# KiCad board 60 Percent Keyboard Ardiuno Micro.kicad_pcb
date: sam. 04 avril 2015
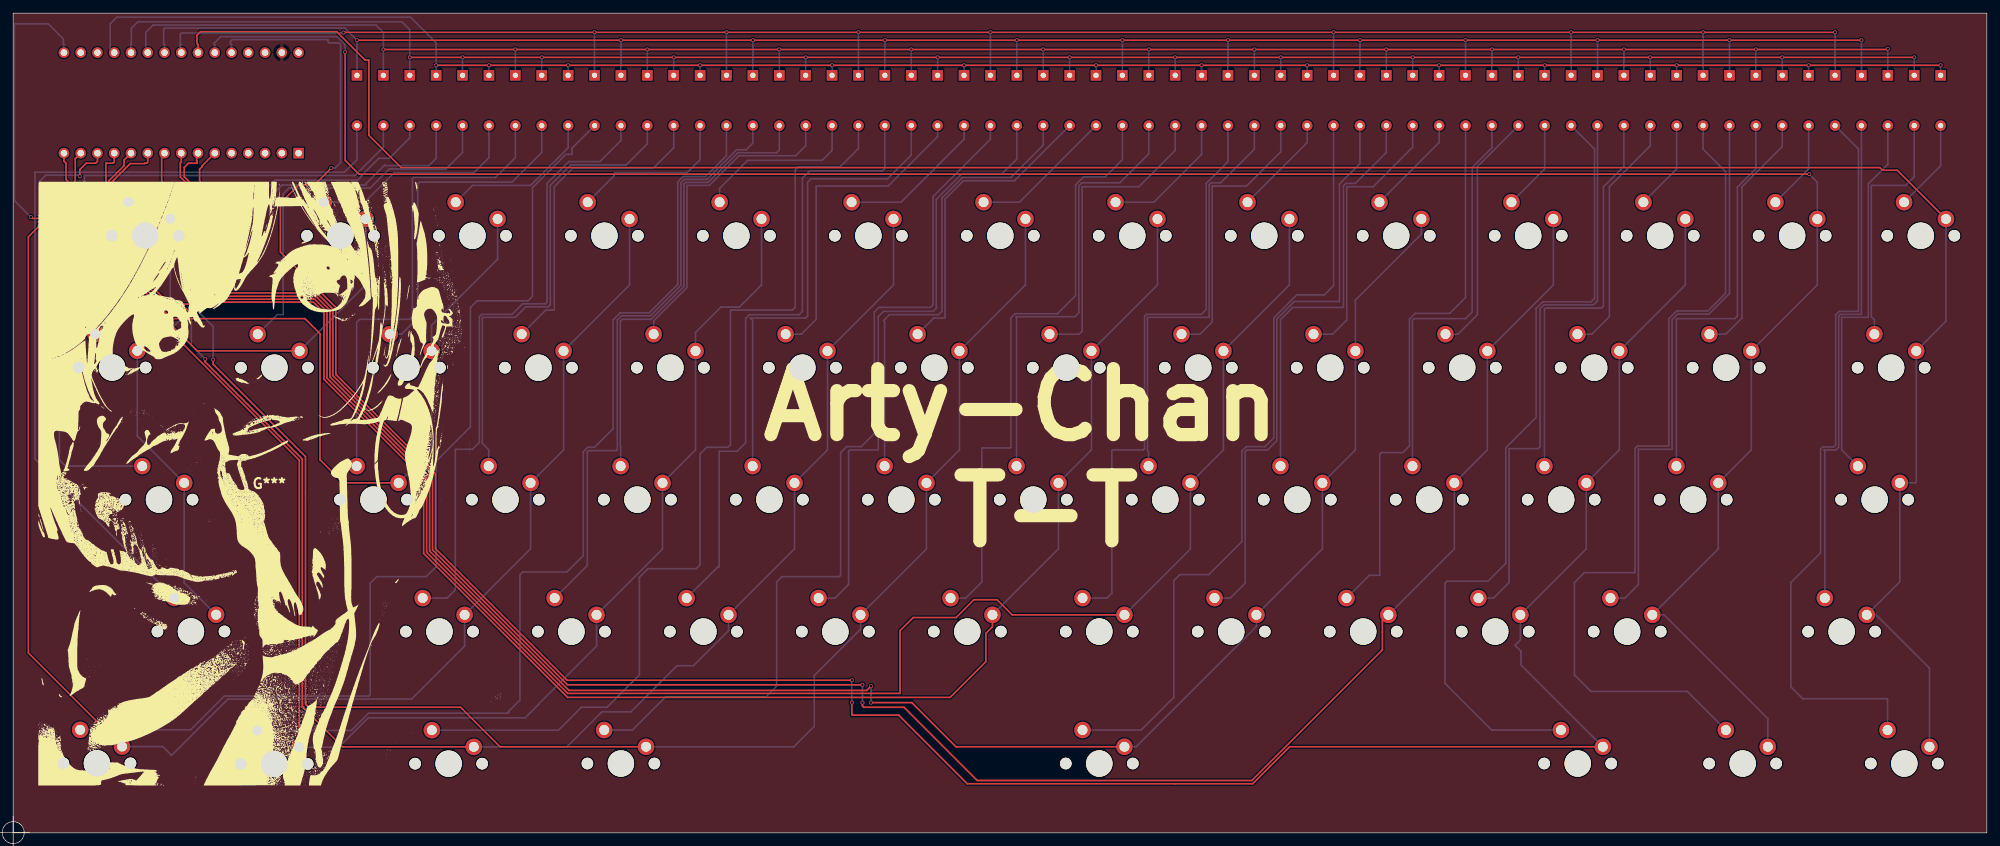
[diagram p0: board, top side]
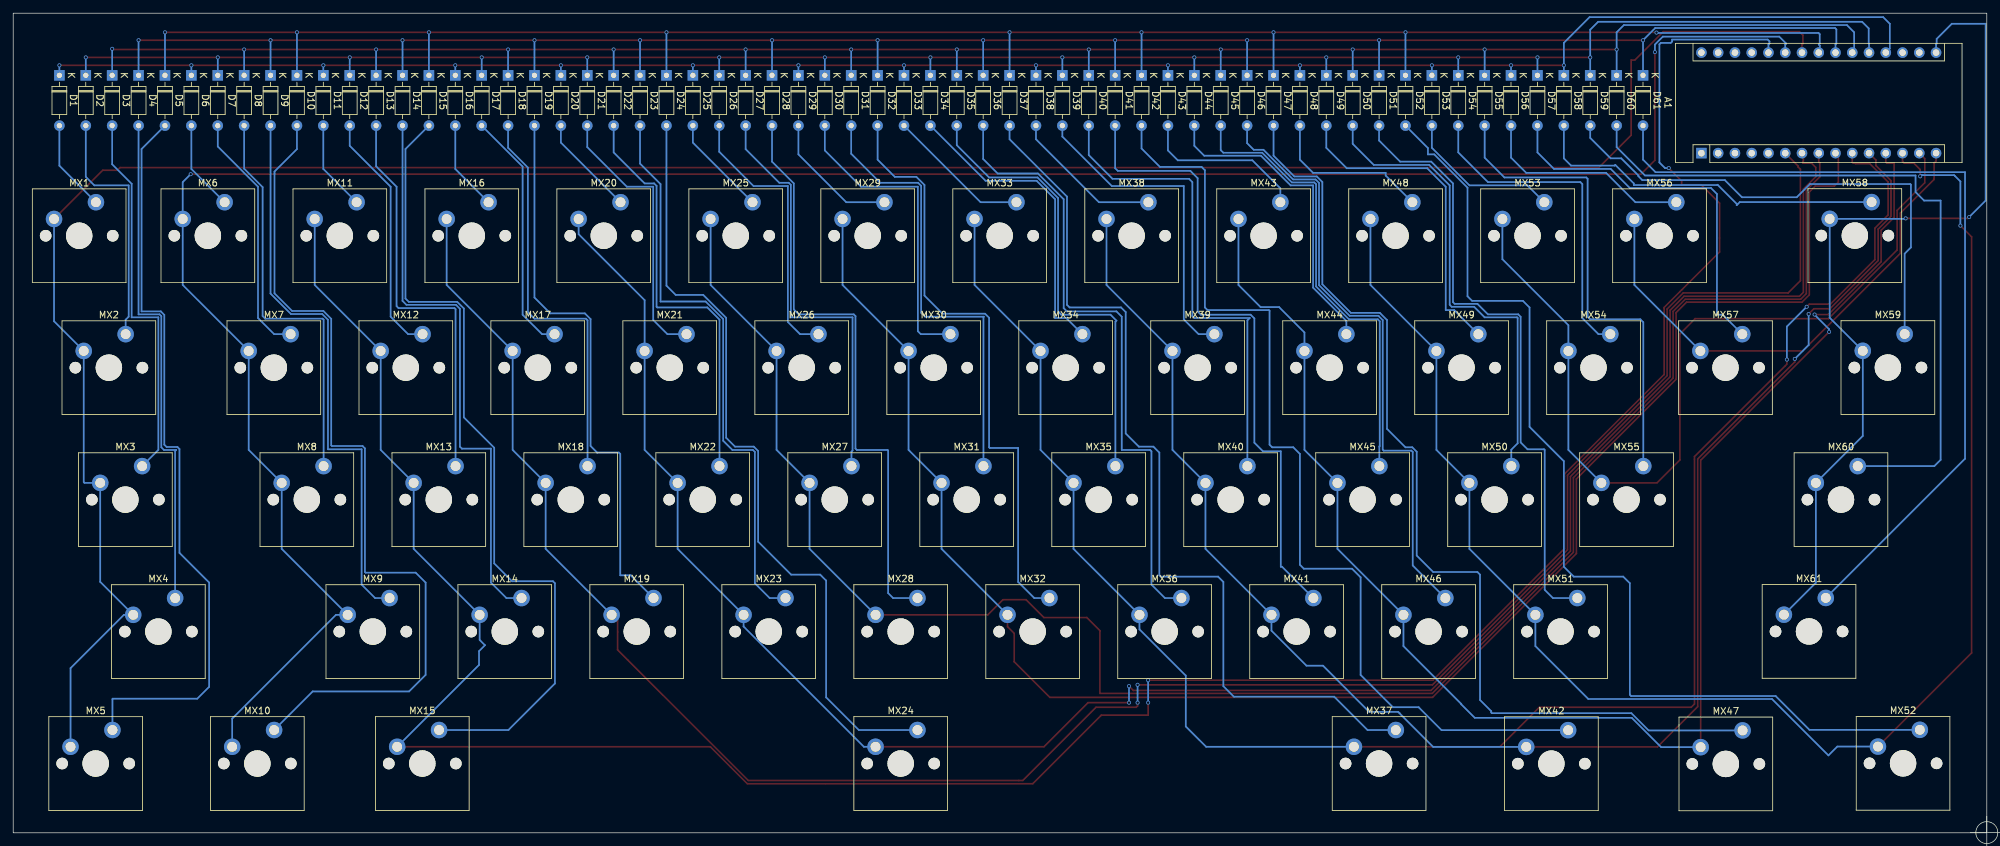
[diagram p1: board, bottom side, seen from below]

Outline 299.1 x 124.23 mm; copper layers: Top, Bottom. Coordinates in mm from the lower left corner of the outline.
Outline path: rectangle 0,124.23 299.1,0
Stack: Top 0.035mm / dielectric 1.51mm FR4 er 4.5 / Bottom 0.035mm

## Placement (name value [footprint] x y rotation side)
A1  Arduino_Nano_v3.x  [Arduino_Nano]  43.25 103.02 90 bottom
D1  1N4148  [D_DO-35_SOD27_P7.62mm_Horizontal]  292.1 114.81 270 bottom
D2  1N4148  [D_DO-35_SOD27_P7.62mm_Horizontal]  288.1 114.81 270 bottom
D3  1N4148  [D_DO-35_SOD27_P7.62mm_Horizontal]  284.1 114.81 270 bottom
D4  1N4148  [D_DO-35_SOD27_P7.62mm_Horizontal]  280.1 114.81 270 bottom
D5  1N4148  [D_DO-35_SOD27_P7.62mm_Horizontal]  276.1 114.81 270 bottom
D6  1N4148  [D_DO-35_SOD27_P7.62mm_Horizontal]  272.1 114.81 270 bottom
D7  1N4148  [D_DO-35_SOD27_P7.62mm_Horizontal]  268.1 114.81 270 bottom
D8  1N4148  [D_DO-35_SOD27_P7.62mm_Horizontal]  264.1 114.81 270 bottom
D9  1N4148  [D_DO-35_SOD27_P7.62mm_Horizontal]  260.1 114.81 270 bottom
D10  1N4148  [D_DO-35_SOD27_P7.62mm_Horizontal]  256.1 114.81 270 bottom
D11  1N4148  [D_DO-35_SOD27_P7.62mm_Horizontal]  252.1 114.81 270 bottom
D12  1N4148  [D_DO-35_SOD27_P7.62mm_Horizontal]  248.1 114.81 270 bottom
D13  1N4148  [D_DO-35_SOD27_P7.62mm_Horizontal]  244.1 114.81 270 bottom
D14  1N4148  [D_DO-35_SOD27_P7.62mm_Horizontal]  240.1 114.81 270 bottom
D15  1N4148  [D_DO-35_SOD27_P7.62mm_Horizontal]  236.1 114.81 270 bottom
D16  1N4148  [D_DO-35_SOD27_P7.62mm_Horizontal]  232.1 114.81 270 bottom
D17  1N4148  [D_DO-35_SOD27_P7.62mm_Horizontal]  228.1 114.81 270 bottom
D18  1N4148  [D_DO-35_SOD27_P7.62mm_Horizontal]  224.1 114.81 270 bottom
D19  1N4148  [D_DO-35_SOD27_P7.62mm_Horizontal]  220.1 114.81 270 bottom
D20  1N4148  [D_DO-35_SOD27_P7.62mm_Horizontal]  216.1 114.81 270 bottom
D21  1N4148  [D_DO-35_SOD27_P7.62mm_Horizontal]  212.1 114.81 270 bottom
D22  1N4148  [D_DO-35_SOD27_P7.62mm_Horizontal]  208.1 114.81 270 bottom
D23  1N4148  [D_DO-35_SOD27_P7.62mm_Horizontal]  204.1 114.81 270 bottom
D24  1N4148  [D_DO-35_SOD27_P7.62mm_Horizontal]  200.1 114.81 270 bottom
D25  1N4148  [D_DO-35_SOD27_P7.62mm_Horizontal]  196.1 114.81 270 bottom
D26  1N4148  [D_DO-35_SOD27_P7.62mm_Horizontal]  192.1 114.81 270 bottom
D27  1N4148  [D_DO-35_SOD27_P7.62mm_Horizontal]  188.1 114.81 270 bottom
D28  1N4148  [D_DO-35_SOD27_P7.62mm_Horizontal]  184.1 114.81 270 bottom
D29  1N4148  [D_DO-35_SOD27_P7.62mm_Horizontal]  180.1 114.81 270 bottom
D30  1N4148  [D_DO-35_SOD27_P7.62mm_Horizontal]  176.1 114.81 270 bottom
D31  1N4148  [D_DO-35_SOD27_P7.62mm_Horizontal]  172.1 114.81 270 bottom
D32  1N4148  [D_DO-35_SOD27_P7.62mm_Horizontal]  168.1 114.81 270 bottom
D33  1N4148  [D_DO-35_SOD27_P7.62mm_Horizontal]  164.1 114.81 270 bottom
D34  1N4148  [D_DO-35_SOD27_P7.62mm_Horizontal]  160.1 114.81 270 bottom
D35  1N4148  [D_DO-35_SOD27_P7.62mm_Horizontal]  156.1 114.81 270 bottom
D36  1N4148  [D_DO-35_SOD27_P7.62mm_Horizontal]  152.1 114.81 270 bottom
D37  1N4148  [D_DO-35_SOD27_P7.62mm_Horizontal]  148.1 114.81 270 bottom
D38  1N4148  [D_DO-35_SOD27_P7.62mm_Horizontal]  144.1 114.81 270 bottom
D39  1N4148  [D_DO-35_SOD27_P7.62mm_Horizontal]  140.1 114.81 270 bottom
D40  1N4148  [D_DO-35_SOD27_P7.62mm_Horizontal]  136.1 114.81 270 bottom
D41  1N4148  [D_DO-35_SOD27_P7.62mm_Horizontal]  132.1 114.81 270 bottom
D42  1N4148  [D_DO-35_SOD27_P7.62mm_Horizontal]  128.1 114.81 270 bottom
D43  1N4148  [D_DO-35_SOD27_P7.62mm_Horizontal]  124.1 114.81 270 bottom
D44  1N4148  [D_DO-35_SOD27_P7.62mm_Horizontal]  120.1 114.81 270 bottom
D45  1N4148  [D_DO-35_SOD27_P7.62mm_Horizontal]  116.1 114.81 270 bottom
D46  1N4148  [D_DO-35_SOD27_P7.62mm_Horizontal]  112.1 114.81 270 bottom
D47  1N4148  [D_DO-35_SOD27_P7.62mm_Horizontal]  108.1 114.81 270 bottom
D48  1N4148  [D_DO-35_SOD27_P7.62mm_Horizontal]  104.1 114.81 270 bottom
D49  1N4148  [D_DO-35_SOD27_P7.62mm_Horizontal]  100.1 114.81 270 bottom
D50  1N4148  [D_DO-35_SOD27_P7.62mm_Horizontal]  96.1 114.81 270 bottom
D51  1N4148  [D_DO-35_SOD27_P7.62mm_Horizontal]  92.1 114.81 270 bottom
D52  1N4148  [D_DO-35_SOD27_P7.62mm_Horizontal]  88.1 114.81 270 bottom
D53  1N4148  [D_DO-35_SOD27_P7.62mm_Horizontal]  84.1 114.81 270 bottom
D54  1N4148  [D_DO-35_SOD27_P7.62mm_Horizontal]  80.1 114.81 270 bottom
D55  1N4148  [D_DO-35_SOD27_P7.62mm_Horizontal]  76.1 114.81 270 bottom
D56  1N4148  [D_DO-35_SOD27_P7.62mm_Horizontal]  72.1 114.81 270 bottom
D57  1N4148  [D_DO-35_SOD27_P7.62mm_Horizontal]  68.1 114.81 270 bottom
D58  1N4148  [D_DO-35_SOD27_P7.62mm_Horizontal]  64.1 114.81 270 bottom
D59  1N4148  [D_DO-35_SOD27_P7.62mm_Horizontal]  60.1 114.81 270 bottom
D60  1N4148  [D_DO-35_SOD27_P7.62mm_Horizontal]  56.1 114.81 270 bottom
D61  1N4148  [D_DO-35_SOD27_P7.62mm_Horizontal]  52.1 114.81 270 bottom
G***  LOGO  [butterflies with color]  38.8 52.93 0 top
MX1  MX-NoLED  [SW_Cherry_MX_PCB_1.00u]  289.1 90.5 180 bottom
MX2  MX-NoLED  [SW_Cherry_MX_PCB_1.50u]  284.6 70.5 180 bottom
MX3  MX-NoLED  [SW_Cherry_MX_PCB_1.75u]  282.1 50.5 180 bottom
MX4  MX-NoLED  [SW_Cherry_MX_PCB_2.25u]  277.1 30.5 180 bottom
MX5  MX-NoLED  [SW_Cherry_MX_PCB_1.25u]  286.6 10.5 180 bottom
MX6  MX-NoLED  [SW_Cherry_MX_PCB_1.00u]  269.6 90.5 180 bottom
MX7  MX-NoLED  [SW_Cherry_MX_PCB_1.00u]  259.6 70.5 180 bottom
MX8  MX-NoLED  [SW_Cherry_MX_PCB_1.00u]  254.6 50.5 180 bottom
MX9  MX-NoLED  [SW_Cherry_MX_PCB_1.00u]  244.6 30.5 180 bottom
MX10  MX-NoLED  [SW_Cherry_MX_PCB_1.25u]  262.1 10.5 180 bottom
MX11  MX-NoLED  [SW_Cherry_MX_PCB_1.00u]  249.6 90.5 180 bottom
MX12  MX-NoLED  [SW_Cherry_MX_PCB_1.00u]  239.6 70.5 180 bottom
MX13  MX-NoLED  [SW_Cherry_MX_PCB_1.00u]  234.6 50.5 180 bottom
MX14  MX-NoLED  [SW_Cherry_MX_PCB_1.00u]  224.6 30.5 180 bottom
MX15  MX-NoLED  [SW_Cherry_MX_PCB_1.25u]  237.1 10.5 180 bottom
MX16  MX-NoLED  [SW_Cherry_MX_PCB_1.00u]  229.6 90.5 180 bottom
MX17  MX-NoLED  [SW_Cherry_MX_PCB_1.00u]  219.6 70.5 180 bottom
MX18  MX-NoLED  [SW_Cherry_MX_PCB_1.00u]  214.6 50.5 180 bottom
MX19  MX-NoLED  [SW_Cherry_MX_PCB_1.00u]  204.6 30.5 180 bottom
MX20  MX-NoLED  [SW_Cherry_MX_PCB_1.00u]  209.6 90.5 180 bottom
MX21  MX-NoLED  [SW_Cherry_MX_PCB_1.00u]  199.6 70.5 180 bottom
MX22  MX-NoLED  [SW_Cherry_MX_PCB_1.00u]  194.6 50.5 180 bottom
MX23  MX-NoLED  [SW_Cherry_MX_PCB_1.00u]  184.6 30.5 180 bottom
MX24  MX-NoLED  [SW_Cherry_MX_PCB_6.25u]  164.6 10.5 180 bottom
MX25  MX-NoLED  [SW_Cherry_MX_PCB_1.00u]  189.6 90.5 180 bottom
MX26  MX-NoLED  [SW_Cherry_MX_PCB_1.00u]  179.6 70.5 180 bottom
MX27  MX-NoLED  [SW_Cherry_MX_PCB_1.00u]  174.6 50.5 180 bottom
MX28  MX-NoLED  [SW_Cherry_MX_PCB_1.00u]  164.6 30.5 180 bottom
MX29  MX-NoLED  [SW_Cherry_MX_PCB_1.00u]  169.6 90.5 180 bottom
MX30  MX-NoLED  [SW_Cherry_MX_PCB_1.00u]  159.6 70.5 180 bottom
MX31  MX-NoLED  [SW_Cherry_MX_PCB_1.00u]  154.6 50.5 180 bottom
MX32  MX-NoLED  [SW_Cherry_MX_PCB_1.00u]  144.6 30.5 180 bottom
MX33  MX-NoLED  [SW_Cherry_MX_PCB_1.00u]  149.6 90.5 180 bottom
MX34  MX-NoLED  [SW_Cherry_MX_PCB_1.00u]  139.6 70.5 180 bottom
MX35  MX-NoLED  [SW_Cherry_MX_PCB_1.00u]  134.6 50.5 180 bottom
MX36  MX-NoLED  [SW_Cherry_MX_PCB_1.00u]  124.6 30.5 180 bottom
MX37  MX-NoLED  [SW_Cherry_MX_PCB_1.25u]  92.1 10.5 180 bottom
MX38  MX-NoLED  [SW_Cherry_MX_PCB_1.00u]  129.6 90.5 180 bottom
MX39  MX-NoLED  [SW_Cherry_MX_PCB_1.00u]  119.6 70.5 180 bottom
MX40  MX-NoLED  [SW_Cherry_MX_PCB_1.00u]  114.6 50.5 180 bottom
MX41  MX-NoLED  [SW_Cherry_MX_PCB_1.00u]  104.6 30.5 180 bottom
MX42  MX-NoLED  [SW_Cherry_MX_PCB_1.25u]  65.99 10.48 180 bottom
MX43  MX-NoLED  [SW_Cherry_MX_PCB_1.00u]  109.6 90.5 180 bottom
MX44  MX-NoLED  [SW_Cherry_MX_PCB_1.00u]  99.6 70.5 180 bottom
MX45  MX-NoLED  [SW_Cherry_MX_PCB_1.00u]  94.6 50.5 180 bottom
MX46  MX-NoLED  [SW_Cherry_MX_PCB_1.00u]  84.6 30.5 180 bottom
MX47  MX-NoLED  [SW_Cherry_MX_PCB_1.25u]  39.55 10.44 180 bottom
MX48  MX-NoLED  [SW_Cherry_MX_PCB_1.00u]  89.6 90.5 180 bottom
MX49  MX-NoLED  [SW_Cherry_MX_PCB_1.00u]  79.6 70.5 180 bottom
MX50  MX-NoLED  [SW_Cherry_MX_PCB_1.00u]  74.6 50.5 180 bottom
MX51  MX-NoLED  [SW_Cherry_MX_PCB_1.00u]  64.6 30.5 180 bottom
MX52  MX-NoLED  [SW_Cherry_MX_PCB_1.25u]  12.69 10.53 180 bottom
MX53  MX-NoLED  [SW_Cherry_MX_PCB_1.00u]  69.6 90.5 180 bottom
MX54  MX-NoLED  [SW_Cherry_MX_PCB_1.00u]  59.6 70.5 180 bottom
MX55  MX-NoLED  [SW_Cherry_MX_PCB_1.00u]  54.6 50.5 180 bottom
MX56  MX-NoLED  [SW_Cherry_MX_PCB_1.00u]  49.6 90.5 180 bottom
MX57  MX-NoLED  [SW_Cherry_MX_PCB_1.00u]  39.6 70.5 180 bottom
MX58  MX-NoLED  [SW_Cherry_MX_PCB_2.00u]  20 90.52 180 bottom
MX59  MX-NoLED  [SW_Cherry_MX_PCB_1.50u]  14.99 70.52 180 bottom
MX60  MX-NoLED  [SW_Cherry_MX_PCB_2.25u]  22.1 50.5 180 bottom
MX61  MX-NoLED  [SW_Cherry_MX_PCB_2.75u]  26.94 30.52 180 bottom

## Footprints (pads in the part's own frame, mm; a bottom-side part is the same pattern mirrored in y, then rotated)
Arduino_Nano
  rect 1.6x1.6 hole 1: 1(0,0)
  oval 1.6x1.6 hole 1: 2(0,-2.54) 3(0,-5.08) 4(0,-7.62) 5(0,-10.16) 6(0,-12.7) 7(0,-15.24) 8(0,-17.78) 9(0,-20.32) 10(0,-22.86) 11(0,-25.4) 12(0,-27.94) 13(0,-30.48) 14(0,-33.02) 15(0,-35.56) 16(15.24,-35.56) 17(15.24,-33.02) 18(15.24,-30.48) 19(15.24,-27.94) 20(15.24,-25.4) 21(15.24,-22.86) 22(15.24,-20.32) 23(15.24,-17.78) 24(15.24,-15.24) 25(15.24,-12.7) 26(15.24,-10.16) 27(15.24,-7.62) 28(15.24,-5.08) 29(15.24,-2.54) 30(15.24,0)
D_DO-35_SOD27_P7.62mm_Horizontal
  rect 1.6x1.6 hole 0.8: 1(0,0)
  oval 1.6x1.6 hole 0.8: 2(7.62,0)
SW_Cherry_MX_PCB_1.00u
  round 1.75 hole 1.75 unplated: (-5.08,0) (5.08,0)
  round 1.55 smd: (-3.81,2.54) (2.54,5.08)
  round 4 hole 4 unplated: (0,0)
  round 2.5 hole 1.5: 1(-3.81,2.54) 2(2.54,5.08)
SW_Cherry_MX_PCB_1.25u
  round 1.75 hole 1.75 unplated: (-5.08,0) (5.08,0)
  round 1.55 smd: (-3.81,2.54) (2.54,5.08)
  round 4 hole 4 unplated: (0,0)
  round 2.5 hole 1.5: 1(-3.81,2.54) 2(2.54,5.08)
SW_Cherry_MX_PCB_1.50u
  round 1.75 hole 1.75 unplated: (-5.08,0) (5.08,0)
  round 1.55 smd: (-3.81,2.54) (2.54,5.08)
  round 4 hole 4 unplated: (0,0)
  round 2.5 hole 1.5: 1(-3.81,2.54) 2(2.54,5.08)
SW_Cherry_MX_PCB_1.75u
  round 1.75 hole 1.75 unplated: (-5.08,0) (5.08,0)
  round 1.55 smd: (-3.81,2.54) (2.54,5.08)
  round 4 hole 4 unplated: (0,0)
  round 2.5 hole 1.5: 1(-3.81,2.54) 2(2.54,5.08)
SW_Cherry_MX_PCB_2.00u
  round 1.75 hole 1.75 unplated: (-5.08,0) (5.08,0)
  round 1.55 smd: (-3.81,2.54) (2.54,5.08)
  round 4 hole 4 unplated: (0,0)
  round 2.5 hole 1.5: 1(-3.81,2.54) 2(2.54,5.08)
SW_Cherry_MX_PCB_2.25u
  round 1.75 hole 1.75 unplated: (-5.08,0) (5.08,0)
  round 1.55 smd: (-3.81,2.54) (2.54,5.08)
  round 4 hole 4 unplated: (0,0)
  round 2.5 hole 1.5: 1(-3.81,2.54) 2(2.54,5.08)
SW_Cherry_MX_PCB_2.75u
  round 1.75 hole 1.75 unplated: (-5.08,0) (5.08,0)
  round 1.55 smd: (-3.81,2.54) (2.54,5.08)
  round 4 hole 4 unplated: (0,0)
  round 2.5 hole 1.5: 1(-3.81,2.54) 2(2.54,5.08)
SW_Cherry_MX_PCB_6.25u
  round 1.75 hole 1.75 unplated: (-5.08,0) (5.08,0)
  round 1.55 smd: (-3.81,2.54) (2.54,5.08)
  round 4 hole 4 unplated: (0,0)
  round 2.5 hole 1.5: 1(-3.81,2.54) 2(2.54,5.08)

## Nets
Col 1: A1.24 MX1.1 MX2.1 MX3.1 MX4.1 MX5.1
Col 2: A1.25 MX6.1 MX7.1 MX8.1 MX9.1 MX10.1
Col 3: A1.26 MX11.1 MX12.1 MX13.1 MX14.1 MX15.1
Col 4: A1.6 MX16.1 MX17.1 MX18.1 MX19.1
Col 5: A1.7 MX20.1 MX21.1 MX22.1 MX23.1 MX24.1
Col 6: A1.8 MX25.1 MX26.1 MX27.1 MX28.1
Col 7: A1.9 MX29.1 MX30.1 MX31.1 MX32.1
Col 8: A1.10 MX33.1 MX34.1 MX35.1 MX36.1 MX37.1
Col 9: A1.11 MX38.1 MX39.1 MX40.1 MX41.1 MX42.1
Col 10: A1.12 MX43.1 MX44.1 MX45.1 MX46.1 MX47.1
Col 11: A1.13 MX48.1 MX49.1 MX50.1 MX51.1 MX52.1
Col 12: A1.14 MX53.1 MX54.1 MX55.1
Col 13: A1.15 MX56.1 MX57.1
Col 14: A1.16 MX58.1 MX59.1 MX60.1 MX61.1
Row 1: A1.19 D1.1 D6.1 D11.1 D16.1 D20.1 D25.1 D29.1 D33.1 D38.1 D43.1 D48.1 D53.1 D56.1 D58.1
Row 2: A1.20 D2.1 D7.1 D12.1 D17.1 D21.1 D26.1 D30.1 D34.1 D39.1 D44.1 D49.1 D54.1 D57.1 D59.1
Row 3: A1.21 D3.1 D8.1 D13.1 D18.1 D22.1 D27.1 D31.1 D35.1 D40.1 D45.1 D50.1 D55.1 D60.1
Row 4: A1.22 D4.1 D9.1 D14.1 D19.1 D23.1 D28.1 D32.1 D36.1 D41.1 D46.1 D51.1 D61.1
Row 5: A1.23 D5.1 D10.1 D15.1 D24.1 D37.1 D42.1 D47.1 D52.1
Net-(D1-Pad2): D1.2 MX1.2
Net-(D2-Pad2): D2.2 MX2.2
Net-(D3-Pad2): D3.2 MX3.2
Net-(D4-Pad2): D4.2 MX4.2
Net-(D5-Pad2): D5.2 MX5.2
Net-(D6-Pad2): D6.2 MX6.2
Net-(D7-Pad2): D7.2 MX7.2
Net-(D8-Pad2): D8.2 MX8.2
Net-(D9-Pad2): D9.2 MX9.2
Net-(D10-Pad2): D10.2 MX10.2
Net-(D11-Pad2): D11.2 MX11.2
Net-(D12-Pad2): D12.2 MX12.2
Net-(D13-Pad2): D13.2 MX13.2
Net-(D14-Pad2): D14.2 MX14.2
Net-(D15-Pad2): D15.2 MX15.2
Net-(D16-Pad2): D16.2 MX16.2
Net-(D17-Pad2): D17.2 MX17.2
Net-(D18-Pad2): D18.2 MX18.2
Net-(D19-Pad2): D19.2 MX19.2
Net-(D20-Pad2): D20.2 MX20.2
Net-(D21-Pad2): D21.2 MX21.2
Net-(D22-Pad2): D22.2 MX22.2
Net-(D23-Pad2): D23.2 MX23.2
Net-(D24-Pad2): D24.2 MX24.2
Net-(D25-Pad2): D25.2 MX25.2
Net-(D26-Pad2): D26.2 MX26.2
Net-(D27-Pad2): D27.2 MX27.2
Net-(D28-Pad2): D28.2 MX28.2
Net-(D29-Pad2): D29.2 MX29.2
Net-(D30-Pad2): D30.2 MX30.2
Net-(D31-Pad2): D31.2 MX31.2
Net-(D32-Pad2): D32.2 MX32.2
Net-(D33-Pad2): D33.2 MX33.2
Net-(D34-Pad2): D34.2 MX34.2
Net-(D35-Pad2): D35.2 MX35.2
Net-(D36-Pad2): D36.2 MX36.2
Net-(D37-Pad2): D37.2 MX37.2
Net-(D38-Pad2): D38.2 MX38.2
Net-(D39-Pad2): D39.2 MX39.2
Net-(D40-Pad2): D40.2 MX40.2
Net-(D41-Pad2): D41.2 MX41.2
Net-(D42-Pad2): D42.2 MX42.2
Net-(D43-Pad2): D43.2 MX43.2
Net-(D44-Pad2): D44.2 MX44.2
Net-(D45-Pad2): D45.2 MX45.2
Net-(D46-Pad2): D46.2 MX46.2
Net-(D47-Pad2): D47.2 MX47.2
Net-(D48-Pad2): D48.2 MX48.2
Net-(D49-Pad2): D49.2 MX49.2
Net-(D50-Pad2): D50.2 MX50.2
Net-(D51-Pad2): D51.2 MX51.2
Net-(D52-Pad2): D52.2 MX52.2
Net-(D53-Pad2): D53.2 MX53.2
Net-(D54-Pad2): D54.2 MX54.2
Net-(D55-Pad2): D55.2 MX55.2
Net-(D56-Pad2): D56.2 MX56.2
Net-(D57-Pad2): D57.2 MX57.2
Net-(D58-Pad2): D58.2 MX58.2
Net-(D59-Pad2): D59.2 MX59.2
Net-(D60-Pad2): D60.2 MX60.2
Net-(D61-Pad2): D61.2 MX61.2

Pads without a net: A1 1 2 3 4 5 17 18 27 28 29 30

## Via types
v1: diameter 0.6, hole 0.4, Top to Bottom, 81 vias

## Routing (per net, layer and track width the routed paths; a pad name or vN(x,y) marks a point on that pad's centre or on a via; arc(x,y) is an arc through that point)
Col 1: length 377.5
  Top w0.25: MX1.1 285.52,100.43 283.3,100.43 282.9,100.83 58.8,100.83 53.9,105.73 53.9,117.13 53.33,117.13 49.03,121.43 28.4,121.43 27.86,120.89 27.86,119.63 28.01,119.48 A1.24
  Bottom w0.25: MX5.1 290.41,24.95 282.32,33.04 MX4.1 285.91,38.04 MX3.1 288.29,53.04 288.41,53.16 MX2.1 292.91,77.54 MX1.1
Col 2: length 368.5
  Top w0.25: v1(50.3,118.33) 50.3,101.93 52.4,99.83 v1(272.2,99.83)
  Bottom w0.25: v1(272.2,99.83) 273.41,98.62 MX6.1 273.41,83.04 MX7.1 263.41,58.04 MX8.1 258.41,43.04 MX9.1 250.18,33.04 265.91,17.31 MX10.1 ; v1(50.3,118.33) 50.3,119.47 49.09,120.68 31.45,120.68 30.4,119.63 30.55,119.48 A1.25
Col 3: length 404.3
  Top w0.25: MX15.1 193.45,13.04 187.84,7.43 144.6,7.43 134.2,17.83 127.1,17.83 v1(127.1,19.73) ; v1(48.2,100.75) 46.25,98.8 46.25,98.23 43.3,98.23 40.5,95.43 40.5,88.03 48.9,79.63 48.9,69.48 64,54.38 64,43.08 83.95,23.13 v1(127.1,23.13)
  Bottom w0.25: MX11.1 253.41,83.04 MX12.1 243.41,58.04 MX13.1 238.41,43.04 MX14.1 228.41,29.24 227.6,28.43 228.5,27.53 228.5,25.45 MX15.1 ; A1.26 33.09,119.48 32.94,119.63 32.94,119.97 33.2,120.23 47.7,120.23 47.7,119.93 47.9,119.73 49.41,119.73 49.62,119.52 49.62,101.6 48.77,100.75 v1(48.2,100.75) ; v1(127.1,19.73) v1(127.1,23.13)
Col 4: length 329.6
  Top w0.25: A1.6 28.6,101.07 28.6,100.93 28.25,100.58 28.25,83.68 30.1,81.83 46.01,81.83 48.45,79.39 48.45,69.29 63.55,54.19 63.55,42.89 84.01,22.43 v1(128.7,22.43) ; v1(128.7,19.73) 128.7,19.23 128.9,19.03 135,19.03 146.1,7.93 187.7,7.93 207.5,27.73 207.5,32.13 MX19.1
  Bottom w0.25: v1(128.7,19.73) v1(128.7,22.43) ; MX19.1 218.41,43.04 MX18.1 223.41,58.04 MX17.1 233.41,83.04 MX16.1
Col 5: length 306.9
  Top w0.25: A1.7 27.8,102.81 27.8,101.85 27.86,101.79 27.86,101.5 26.56,101.5 25.92,100.85 25.92,99.45 27.8,97.57 27.8,81.92 28.39,81.33 45.87,81.33 48,79.2 48,69.1 63.1,54 63.1,42.7 84.22,21.58 129.35,21.58 v1(130,22.23) ; v1(130,19.73) 136.2,19.73 142.89,13.04 MX24.1
  Bottom w0.25: MX20.1 213.41,90.74 203.41,80.74 MX21.1 203.41,58.04 MX22.1 198.41,43.04 MX23.1 188.41,31.27 170.18,13.04 MX24.1 ; v1(130,19.73) v1(130,22.23)
Col 6: length 283.6
  Top w0.25: A1.8 25.47,101.65 25.32,101.5 25.32,99.41 27.35,97.38 27.35,81.73 28.2,80.88 45.69,80.88 47.55,79.02 47.55,68.92 62.65,53.82 62.65,42.52 84.04,21.13 134.4,21.13 134.4,30.63 136.4,32.63 142.9,32.63 145.6,35.33 149.1,35.33 151.39,33.04 MX28.1
  Bottom w0.25: MX25.1 193.41,83.04 MX26.1 183.41,58.04 MX27.1 178.41,43.04 MX28.1
Col 7: length 263.6
  Top w0.25: A1.9 22.5,102.59 22.5,98.63 23.1,98.03 26,98.03 26.9,97.13 26.9,81.53 28,80.43 45.5,80.43 47.1,78.83 47.1,68.73 62.2,53.63 62.2,42.33 84,20.53 142,20.53 147.4,25.93 147.4,30.23 148.41,31.24 MX32.1
  Bottom w0.25: MX32.1 158.41,43.04 MX31.1 163.41,58.04 MX30.1 173.41,83.04 MX29.1
Col 8: length 272.4
  Top w0.25: A1.10 20.39,101.65 20.24,101.5 19.96,101.5 19.9,101.43 17.74,101.43 14.97,98.66 14.97,93.63 16.95,91.65 16.95,86.88 23.71,80.13 26.9,80.13 v1(27.3,79.73) ; v1(30.3,71.73) 30.3,71.03 44.3,57.03 44.3,19.53 44.8,19.03 67.8,19.03 73.79,13.04 MX37.1
  Bottom w0.25: v1(27.3,79.73) 30.3,76.73 v1(30.3,71.73) ; MX33.1 153.41,83.04 MX34.1 143.41,58.04 MX35.1 138.41,43.04 MX36.1 128.41,30.84 121.4,23.83 121.4,16.13 118.31,13.04 MX37.1
Col 9: length 246
  Top w0.25: v1(27,78.63) 26.2,79.43 23.77,79.43 16.47,86.73 16.47,91.5 14.52,93.45 14.52,98.85 16.8,101.13 16.8,101.97 A1.11 ; MX42.1 49.92,13.02 43.81,19.13 43.81,56.66 29.1,71.37 v1(29.1,71.83)
  Bottom w0.25: v1(27,78.63) 27,73.93 v1(29.1,71.83) ; MX42.1 83.9,13.02 89,18.12 89,18.13 89.2,18.33 93.6,18.33 100.6,25.33 103.1,25.33 108.41,30.64 MX41.1 118.41,43.04 MX40.1 123.41,58.04 MX39.1 133.41,83.04 MX38.1
Col 10: length 234.6
  Top w0.25: v1(26.1,78.55) 24.01,78.55 16.02,86.55 16.02,91.31 14.05,93.28 14.05,101.48 14.06,101.5 15.16,101.5 15.31,101.65 A1.12 ; MX47.1 43.36,56.47 v1(23.9,75.93)
  Bottom w0.25: v1(23.9,75.93) 23.9,76.33 26.1,78.53 v1(26.1,78.55) ; MX47.1 49.35,12.98 53.8,17.43 77.6,17.43 79.64,19.47 79.64,19.53 88.41,28.3 MX46.1 98.41,43.04 MX45.1 103.41,58.04 MX44.1 103.41,75.84 107.25,79.68 110.05,79.68 113.41,83.04 MX43.1
Col 11: length 238.7
  Top w0.25: v1(10.1,99.51) 10.1,100.53 11.06,101.5 12.5,101.5 12.77,101.77 A1.13 ; v1(4,92.03) 2.3,90.33 2.3,27.27 MX52.1
  Bottom w0.25: MX48.1 93.41,83.04 MX49.1 83.41,58.04 MX50.1 78.41,43.04 MX51.1 68.41,28.3 60.39,20.28 32.55,20.28 24,11.73 22.66,13.07 MX52.1 ; v1(4,92.03) 4,98.73 4.95,99.68 9.93,99.68 v1(10.1,99.51)
Col 12: length 133.6
  Top w0.25: A1.14 9.4,102.19 9.4,98.53 13.6,94.33 13.6,88.33 24,77.93 44.2,77.93 46.5,75.63 46.5,56.53 49.99,53.04 MX55.1
  Bottom w0.25: MX53.1 73.41,86.94 63.41,76.94 MX54.1 63.41,58.04 MX55.1
Col 13: length 78
  Top w0.25: MX57.1 27.89,73.04 13.1,87.83 13.1,93.93 8,99.03 8,101.5 7.69,101.81 A1.15
  Bottom w0.25: MX57.1 53.41,83.04 MX56.1
Col 14: length 129.1
  Top w0.25: v1(12.3,93.13) 2.88,93.13 v1(2.68,93.33)
  Bottom w0.25: v1(2.68,93.33) 0.18,95.83 0.18,122.63 5.3,122.63 7.6,120.33 7.6,119.63 7.69,119.54 A1.16 ; v1(12.3,93.13) 12.37,93.06 MX58.1 23.81,78.07 MX59.1 18.8,60.15 MX60.1 25.91,37.9 MX61.1
Row 1: length 308.7
  Top w0.25: v1(64.1,116.33) v1(292.1,116.33)
  Bottom w0.25: D48.1 v1(104.1,116.33) ; A1.19 14.7,118.87 14.7,122.63 15.7,123.63 60.2,123.63 64.1,119.73 v1(64.1,116.33) D58.1 ; D53.1 v1(84.1,116.33) ; D25.1 v1(196.1,116.33) ; D16.1 v1(232.1,116.33) ; D43.1 v1(124.1,116.33) ; D56.1 v1(72.1,116.33) ; D33.1 v1(164.1,116.33) ; D20.1 v1(216.1,116.33) ; D29.1 v1(180.1,116.33) ; D38.1 v1(144.1,116.33) ; D1.1 v1(292.1,116.33) ; D11.1 v1(252.1,116.33) ; D6.1 v1(272.1,116.33)
Row 2: length 317.1
  Top w0.25: v1(60.1,117.53) v1(100.1,117.53) v1(140.1,117.53) v1(176.1,117.53) v1(192.1,117.53) v1(212.1,117.53) v1(228.1,117.53) v1(248.1,117.53) v1(268.1,117.53) v1(288.1,117.53)
  Bottom w0.25: D30.1 v1(176.1,117.53) ; D2.1 v1(288.1,117.53) ; D54.1 v1(80.1,117.53) ; D17.1 v1(228.1,117.53) ; D7.1 v1(268.1,117.53) ; A1.20 17.85,119.58 17.9,119.63 17.9,121.93 18.9,122.93 58.9,122.93 60.1,121.73 v1(60.1,117.53) D59.1 ; D34.1 v1(160.1,117.53) ; D21.1 v1(212.1,117.53) ; D57.1 v1(68.1,117.53) ; D12.1 v1(248.1,117.53) ; D49.1 v1(100.1,117.53) ; D39.1 v1(140.1,117.53) ; D44.1 v1(120.1,117.53) ; D26.1 v1(192.1,117.53)
Row 3: length 321.8
  Top w0.25: v1(56.1,118.73) v1(76.1,118.73) v1(244.1,118.73) v1(264.1,118.73) 284,118.73 v1(284.1,118.83)
  Bottom w0.25: D13.1 v1(244.1,118.73) ; D3.1 v1(284.1,118.83) ; D18.1 v1(224.1,118.73) ; D22.1 v1(208.1,118.73) ; D45.1 v1(116.1,118.73) ; D27.1 v1(188.1,118.73) ; D60.1 v1(56.1,118.73) 56.1,121.33 55,122.43 21.2,122.43 20.1,121.33 20.1,118.55 A1.21 ; D35.1 v1(156.1,118.73) ; D50.1 v1(96.1,118.73) ; D40.1 v1(136.1,118.73) ; D31.1 v1(172.1,118.73) ; D55.1 v1(76.1,118.73) ; D8.1 v1(264.1,118.73)
Row 4: length 325.6
  Top w0.25: v1(280.1,120.13) v1(260.1,120.13) v1(92.1,120.13) v1(52.1,120.13)
  Bottom w0.25: D9.1 v1(260.1,120.13) ; D19.1 v1(220.1,120.13) ; D36.1 v1(152.1,120.13) ; D28.1 v1(184.1,120.13) ; A1.22 22.93,119.5 22.8,119.63 22.8,121.78 23,121.98 50.25,121.98 v1(52.1,120.13) D61.1 ; D51.1 v1(92.1,120.13) ; D14.1 v1(240.1,120.13) ; D41.1 v1(132.1,120.13) ; D23.1 v1(204.1,120.13) ; D4.1 v1(280.1,120.13) ; D46.1 v1(112.1,120.13) ; D32.1 v1(168.1,120.13)
Row 5: length 306.1
  Top w0.25: v1(50.06,121.29) 50.1,121.33 v1(88.1,121.33) v1(256.1,121.33) v1(276.1,121.33)
  Bottom w0.25: D10.1 v1(256.1,121.33) ; D47.1 v1(108.1,121.33) ; v1(50.06,121.29) 50,121.23 25.5,121.23 25.32,121.05 25.32,119.63 25.47,119.48 25.3,119.31 25.3,118.33 25.4,118.33 A1.23 ; D24.1 v1(200.1,121.33) ; D15.1 v1(236.1,121.33) ; D37.1 v1(148.1,121.33) ; D52.1 v1(88.1,121.33) ; D5.1 v1(276.1,121.33) ; D42.1 v1(128.1,121.33)
Net-(D1-Pad2): length 13.9
  Bottom w0.25: D1.2 292.1,101.12 MX1.2
Net-(D2-Pad2): length 37.5
  Bottom w0.25: MX2.2 282.06,77.77 281.6,78.23 281.6,98.13 286.8,98.13 288.1,99.43 D2.2
Net-(D3-Pad2): length 57.9
  Bottom w0.25: MX3.2 277.1,58.04 277.1,78.13 281.15,78.13 281.15,98.38 284.1,101.33 D3.2
Net-(D4-Pad2): length 77
  Bottom w0.25: D4.2 280.1,78.58 276.91,78.58 276.65,78.32 276.65,58.43 276.25,58.03 274.4,58.03 274.56,57.87 MX4.2
Net-(D5-Pad2): length 113.6
  Bottom w0.25: D5.2 279.65,103.64 279.65,79.03 276.73,79.03 276.2,78.5 276.2,58.83 275.85,58.48 274.21,58.48 273.9,58.17 273.9,42.43 269.4,37.93 269.4,22.13 271.2,20.33 284,20.33 284.06,20.27 MX5.2
Net-(D6-Pad2): length 13.7
  Bottom w0.25: D6.2 272.1,100.62 MX6.2
Net-(D7-Pad2): length 37.6
  Bottom w0.25: D7.2 268.1,104.03 262,97.93 262,78.03 259.55,75.58 MX7.2
Net-(D8-Pad2): length 61.7
  Bottom w0.25: MX8.2 252.06,77.79 252.2,77.93 260.9,77.93 261.3,78.33 261.3,97.87 264.1,100.67 D8.2
Net-(D9-Pad2): length 86.1
  Bottom w0.25: D9.2 260.1,81.73 257,78.63 252.26,78.63 251.4,77.77 251.4,58.13 246.3,58.13 246.3,37.63 244.25,35.58 MX9.2
Net-(D10-Pad2): length 130.5
  Bottom w0.25: D10.2 256.1,103.63 259.5,100.23 259.5,81.77 256.83,79.1 252.1,79.1 250.9,77.9 250.9,58.73 250.8,58.63 246.16,58.63 245.8,58.27 245.8,39.53 245.7,39.43 238.1,39.43 236.6,37.93 236.6,23.93 239.1,21.43 253.71,21.43 MX10.2
Net-(D11-Pad2): length 13.7
  Bottom w0.25: D11.2 252.1,100.62 MX11.2
Net-(D12-Pad2): length 37.5
  Bottom w0.25: D12.2 248.1,104.13 241.9,97.93 241.9,78.23 239.25,75.58 MX12.2
Net-(D13-Pad2): length 61.6
  Bottom w0.25: MX13.2 232.06,79.37 232.22,79.53 240.7,79.53 241,79.83 241,97.93 244.1,101.03 D13.2
Net-(D14-Pad2): length 87.4
  Bottom w0.25: D14.2 240.1,80.63 239.5,80.03 232,80.03 231.4,79.43 231.4,58.53 231.1,58.23 226.7,58.23 226.7,37.93 224.35,35.58 MX14.2
Net-(D15-Pad2): length 123.8
  Bottom w0.25: D15.2 239.65,103.64 239.65,80.98 239.15,80.48 231.81,80.48 230.8,79.47 230.8,62.97 226.2,58.37 226.2,40.83 223.5,38.13 217.3,38.13 217,37.83 217,22.63 224.05,15.58 MX15.2
Net-(D16-Pad2): length 13.7
  Bottom w0.25: D16.2 232.1,100.62 MX16.2
Net-(D17-Pad2): length 37.3
  Bottom w0.25: D17.2 221.9,100.99 221.9,78.53 218.95,75.58 MX17.2
Net-(D18-Pad2): length 61.2
  Bottom w0.25: MX18.2 212.06,77.69 212.3,77.93 220.1,77.93 221.1,78.93 221.1,100.83 224.1,103.83 D18.2
Net-(D19-Pad2): length 85
  Bottom w0.25: D19.2 220.1,81.13 217.7,78.73 212.46,78.73 211.6,77.87 211.6,58.63 210.6,57.63 207.3,57.63 207.1,57.43 207.1,39.03 205.51,39.03 MX19.2
Net-(D20-Pad2): length 15.4
  Bottom w0.25: MX20.2 216.1,104.62 D20.2
Net-(D21-Pad2): length 41.9
  Bottom w0.25: D21.2 212.1,103.93 206.1,97.93 202.1,97.93 202.1,77.73 199.95,75.58 MX21.2
Net-(D22-Pad2): length 63.5
  Bottom w0.25: D22.2 208.1,103.13 203.4,98.43 201.96,98.43 201.6,98.07 201.6,79.73 201.5,79.63 193.9,79.63 192.06,77.79 MX22.2
Net-(D23-Pad2): length 88
  Bottom w0.25: MX23.2 184.45,35.58 186.7,37.83 186.7,57.73 187,58.03 190.1,58.03 191.5,59.43 191.5,77.87 194.16,80.53 201,80.53 201,98.33 204.1,101.43 D23.2
Net-(D24-Pad2): length 119.3
  Bottom w0.25: MX24.2 170.95,15.58 175.9,20.53 175.9,38.23 176.8,39.13 181.2,39.13 186.2,44.13 186.2,57.87 186.86,58.53 189.7,58.53 191.05,59.88 191.05,78.05 194.53,81.53 198.7,81.53 200.1,82.93 D24.2
Net-(D25-Pad2): length 15.4
  Bottom w0.25: D25.2 196.1,104.62 MX25.2
Net-(D26-Pad2): length 42.5
  Bottom w0.25: D26.2 192.1,103.23 186.9,98.03 181.7,98.03 181.7,77.43 179.85,75.58 MX26.2
Net-(D27-Pad2): length 64.7
  Bottom w0.25: MX27.2 172.06,57.77 171.9,57.93 171.9,78.13 181.25,78.13 181.25,98.22 181.56,98.53 183,98.53 188.1,103.63 D27.2
Net-(D28-Pad2): length 90.5
  Bottom w0.25: D28.2 184.1,101.73 180.8,98.43 180.8,79.33 180.05,78.58 171.71,78.58 171.45,78.32 171.45,58.23 171.25,58.03 166.6,58.03 166.5,57.93 166.5,36.33 165.75,35.58 MX28.2
Net-(D29-Pad2): length 20.4
  Bottom w0.25: MX29.2 172.85,95.58 180.1,102.83 D29.2
Net-(D30-Pad2): length 47.2
  Bottom w0.25: D30.2 176.1,103.43 170.6,97.93 162,97.93 162,76.03 161.55,75.58 MX30.2
Net-(D31-Pad2): length 68.5
  Bottom w0.25: D31.2 172.1,102.93 167.7,98.53 161.96,98.53 161.5,98.07 161.5,78.83 160.9,78.23 152,78.23 152.06,78.17 MX31.2
Net-(D32-Pad2): length 91.9
  Bottom w0.25: MX32.2 144.35,35.58 146.8,38.03 146.8,58.33 151.1,58.33 151.2,58.43 151.2,78.07 151.81,78.68 158.25,78.68 161,81.43 161,98.2 162.23,99.43 165.5,99.43 168.1,102.03 D32.2
Net-(D33-Pad2): length 21.8
  Bottom w0.25: MX33.2 152.49,95.58 D33.2
Net-(D34-Pad2): length 46.7
  Bottom w0.25: D34.2 151.74,98.83 144,98.83 141.2,96.03 141.2,78.03 139.51,78.03 MX34.2
Net-(D35-Pad2): length 70.4
  Bottom w0.25: D35.2 156.1,104.23 151.2,99.33 143.86,99.33 140.75,96.22 140.75,79.03 140.25,78.53 132.8,78.53 131.9,77.63 132.06,77.47 MX35.2
Net-(D36-Pad2): length 96
  Bottom w0.25: D36.2 152.1,102.13 149.9,99.93 143.8,99.93 139.9,96.03 139.9,79.53 139.4,79.03 131.9,79.03 131.1,78.23 131.1,58.03 126.8,58.03 126.6,57.83 126.6,37.63 124.55,35.58 MX36.2
Net-(D37-Pad2): length 138.2
  Bottom w0.25: D37.2 148.1,105.13 139.4,96.43 139.4,80.03 139,79.63 131.2,79.63 130.5,78.93 130.5,60.53 128.5,58.53 126.3,58.53 125.4,57.63 125.4,39.03 125.2,38.83 116.5,38.83 115.7,38.03 115.7,22.23 114.1,20.63 98.9,20.63 93.85,15.58 MX37.2
Net-(D38-Pad2): length 23.1
  Bottom w0.25: MX38.2 134.55,95.58 144.1,105.13 D38.2
Net-(D39-Pad2): length 48.9
  Bottom w0.25: D39.2 140.1,105.53 132.6,98.03 121.7,98.03 121.7,77.83 119.45,75.58 MX39.2
Net-(D40-Pad2): length 73.6
  Bottom w0.25: D40.2 136.1,102.73 132.5,99.13 120.9,99.13 120.4,98.63 120.4,78.33 120.1,78.03 111.7,78.03 112.06,77.67 MX40.2
Net-(D41-Pad2): length 96.6
  Bottom w0.25: D41.2 132.1,100.73 131.7,100.33 120.7,100.33 119.6,99.23 119.6,79.03 119.1,78.53 111.56,78.53 111,77.97 111,59.13 109.7,57.83 107,57.83 107,40.33 106.81,40.33 MX41.2
Net-(D42-Pad2): length 147.2
  Bottom w0.25: MX42.2 82.63,15.56 86.1,19.03 90,19.03 94.9,23.93 94.9,38.73 96.2,40.03 103.5,40.03 104.1,40.63 104.1,57.43 105.1,58.43 108.3,58.43 108.7,58.83 108.7,79.13 108.8,79.23 118.1,79.23 118.5,79.63 118.5,100.43 119,100.93 125.3,100.93 128.1,103.73 D42.2
Net-(D43-Pad2): length 25.3
  Bottom w0.25: MX43.2 107.06,97.69 111.3,101.93 122.6,101.93 124.1,103.43 D43.2
Net-(D44-Pad2): length 48.2
  Bottom w0.25: MX44.2 97.06,77.59 102.1,82.63 102.1,98.13 105.5,98.13 110,102.63 118.6,102.63 120.1,104.13 D44.2
Net-(D45-Pad2): length 69.6
  Bottom w0.25: D45.2 116.1,103.48 115.7,103.08 109.81,103.08 105.31,98.58 101.91,98.58 101.65,98.32 101.65,82.82 96.66,77.83 92.3,77.83 92,77.53 92,58.63 92.06,58.57 MX45.2
Net-(D46-Pad2): length 91.9
  Bottom w0.25: D46.2 112.1,104.53 111.1,103.53 109.63,103.53 105.13,99.03 101.73,99.03 101.2,98.5 101.2,83 96.56,78.37 92.2,78.37 91.55,77.72 91.55,58.08 91.4,57.93 87.2,57.93 87,57.73 87,40.52 MX46.2
Net-(D47-Pad2): length 150.9
  Bottom w0.25: MX47.2 51.25,15.52 53.86,18.13 75,18.13 75.1,18.23 75.1,18.43 76.8,20.13 76.8,39.13 77.2,39.53 83.9,39.53 86.4,42.03 86.4,57.77 87.06,58.43 88.1,58.43 90.9,61.23 90.9,77.73 91.99,78.82 96.38,78.82 100.7,83.14 100.7,98.64 101.55,99.48 104.95,99.48 108.1,102.64 D47.2
Net-(D48-Pad2): length 25.1
  Bottom w0.25: D48.2 104.1,102.03 102.1,100.03 91.1,100.03 91.1,99.62 MX48.2
Net-(D49-Pad2): length 49.1
  Bottom w0.25: MX49.2 80.71,79.23 82,79.23 82,97.93 84.8,100.73 97,100.73 100.1,103.83 D49.2
Net-(D50-Pad2): length 72.1
  Bottom w0.25: MX50.2 72.06,58.07 71.1,59.03 71.1,78.03 71.2,78.13 76.1,78.13 77.7,79.73 81.1,79.73 81.4,80.03 81.4,98.13 84.5,101.23 92.9,101.23 96.1,104.43 D50.2
Net-(D51-Pad2): length 95.1
  Bottom w0.25: D51.2 92.1,104.93 88.9,101.73 84.2,101.73 80.9,98.43 80.9,80.43 80.65,80.18 77.2,80.18 75.6,78.58 71.01,78.58 70.65,78.22 70.65,59.18 69.6,58.13 67.1,58.13 67,58.03 67,36.83 65.75,35.58 MX51.2
Net-(D52-Pad2): length 156
  Bottom w0.25: MX52.2 26.88,15.61 32,20.73 53.9,20.73 54.1,20.93 54.1,37.83 55.1,38.83 62.6,38.83 64.1,40.33 64.1,56.33 69.3,61.53 69.3,79.63 70.3,80.63 78,80.63 78.7,81.33 78.7,97.79 83.74,102.83 84.7,102.83 84.7,103.79 D52.2
Net-(D53-Pad2): length 23.8
  Bottom w0.25: MX53.2 69.61,98.13 78.4,98.13 84.1,103.83 D53.2
Net-(D54-Pad2): length 50.4
  Bottom w0.25: D54.2 80.1,103.13 75.6,98.63 61.6,98.63 61.3,98.33 61.3,78.03 58.85,75.58 MX54.2
Net-(D55-Pad2): length 73.3
  Bottom w0.25: D55.2 76.1,102.33 73.1,99.33 60.7,99.33 60.5,99.13 60.5,78.23 60.1,77.83 52.5,77.83 52.06,77.39 MX55.2
Net-(D56-Pad2): length 32.7
  Bottom w0.25: MX56.2 53.25,95.58 57.7,100.03 69.8,100.03 72.1,102.33 D56.2
Net-(D57-Pad2): length 57.2
  Bottom w0.25: MX57.2 40.01,78.53 40.9,78.53 40.9,96.83 41.8,97.73 54.1,97.73 57,100.63 65.6,100.63 68.1,103.13 D57.2
Net-(D58-Pad2): length 55.1
  Bottom w0.25: MX58.2 37.43,95.6 37.9,95.13 37.9,95.33 40.8,98.23 40.85,98.18 53.5,98.18 53.5,98.43 56.3,101.23 56.4,101.13 63,101.13 64.1,102.23 D58.2
Net-(D59-Pad2): length 78.1
  Bottom w0.25: D59.2 60.1,105.33 57,102.23 55.4,102.23 52.8,99.63 52.8,99.53 52.2,98.93 39.7,98.93 37.1,96.33 28.8,96.33 26.8,98.33 11.6,98.33 11.5,98.23 11.5,88.73 12.45,87.78 MX59.2
Net-(D60-Pad2): length 109.4
  Bottom w0.25: MX60.2 7.95,55.58 7,56.53 7,95.83 9.5,95.83 10.8,97.13 10.8,99.63 51.8,99.63 56.1,103.93 D60.2
Net-(D61-Pad2): length 128
  Bottom w0.25: D61.2 52.1,102.03 50.2,100.13 3.3,100.13 3.3,56.7 MX61.2

## Copper pours and planes (outline as drawn; the poured copper is in the pictures)
unconnected-(A1-Pad29) on Top: 0.1,0.03 299.1,0.03 299.1,124.23 0,124.23

## Text on the board
F.Silkscreen: Arty-Chan / T-T
